# Allegro board BRD-05058-03_A1.brd (continued)
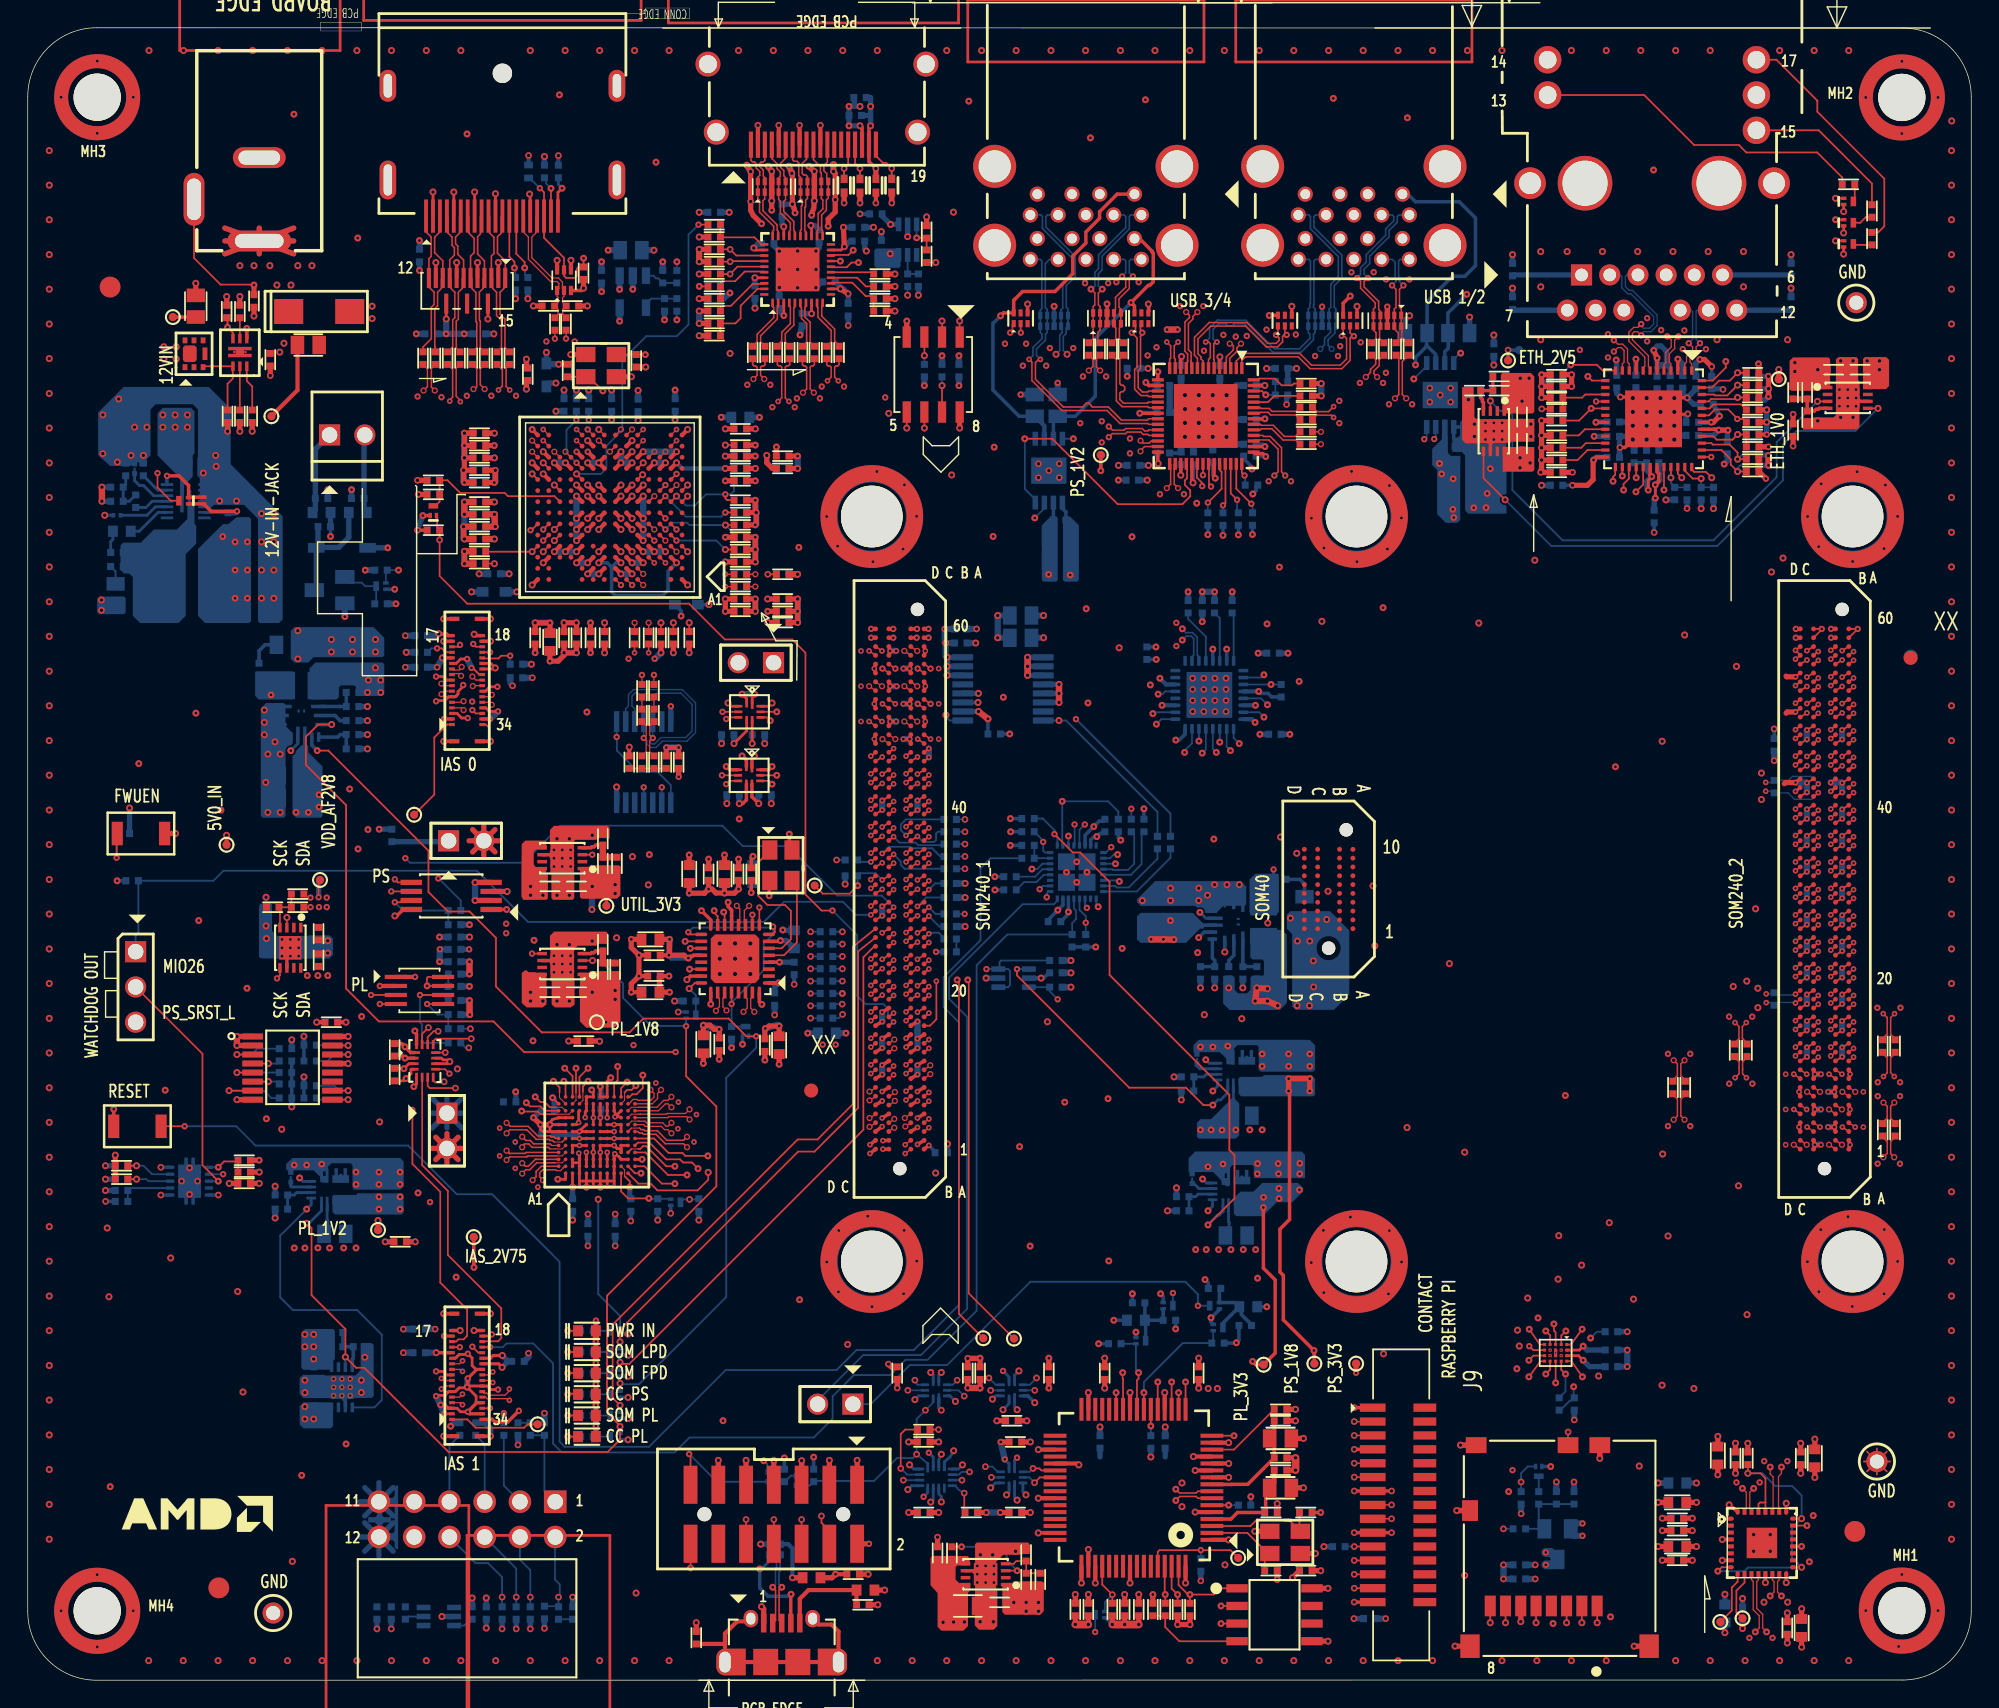
[diagram p0: board, top side]
## Routing (per net, layer and track width the routed paths; a pad name or vN(x,y) marks a point on that pad's centre or on a via; arc(x,y) is an arc through that point) (continued)
HPA11_N: length 59.8
  TOP w0.094: JA1.B11 v3(63.27,44.32)
  TOP w0.114: J9.2 v2(95.56,18.63)
  L12_SIG w0.112: v3(63.27,44.32) 63.27,44.24 62.82,43.79 62.82,43.27 63.15,42.94 65.4,42.94 67.16,41.19 67.16,40.5 67.97,39.69 67.97,24.9 69.84,23.03 72.53,23.03 73.21,22.35 78.04,22.35 78.97,23.29 82.69,23.29 83.99,21.99 94.58,21.99 97.2,19.37 97.2,18.69 96.76,18.25 95.93,18.25 v2(95.56,18.63)
HPA11_P: length 59.8
  TOP w0.094: JA1.B10 v3(63.27,43.69)
  TOP w0.114: J9.3 v2(95.56,17.63)
  L12_SIG w0.112: v2(95.56,17.63) 95.93,18 96.87,18 97.46,18.59 97.46,19.48 94.69,22.24 84.1,22.24 82.8,23.54 78.87,23.54 77.93,22.61 73.32,22.61 72.64,23.29 69.94,23.29 68.22,25.01 68.22,39.8 67.41,40.61 67.41,41.29 67.01,41.69 67.01,41.85 67.02,41.86 67.02,42.08 66.77,42.34 66.55,42.34 66.54,42.32 66.38,42.32 65.51,43.19 63.26,43.19 63.08,43.38 63.08,43.6 63.17,43.69 v3(63.27,43.69)
HPA12_N: length 62
  TOP w0.094: JA1.A10 v4(65.01,44.28)
  TOP w0.114: J9.5 v2(95.56,15.63)
  L03_SIG w0.112: v2(95.56,15.63) 95.18,15.25 93.17,15.25 87.09,21.33 87.09,21.77 84.76,24.1 81.89,24.1 75.84,30.14 75.84,35.82 74.11,37.56 72.54,37.56 72.03,37.05 72.03,34.04 71.57,33.57 70.77,33.57 70.34,34 70.34,35.78 70.08,36.04 69.43,36.04 69.17,35.78 69.17,34 69.05,33.89 68.54,33.89 67.77,34.66 67.77,43.07 66.75,44.09 65.2,44.09 v4(65.01,44.28)
HPA12_P: length 62
  TOP w0.094: JA1.A9 v4(65.01,43.65)
  TOP w0.114: J9.6 v2(95.56,14.63)
  L03_SIG w0.112: v4(65.01,43.65) 65.2,43.84 66.64,43.84 67.51,42.97 67.51,34.56 68.43,33.64 69.16,33.64 69.42,33.9 69.42,35.68 69.53,35.79 69.98,35.79 70.09,35.68 70.09,33.9 70.67,33.32 71.67,33.32 72.28,33.93 72.28,36.94 72.65,37.31 74,37.31 75.59,35.72 75.59,30.04 81.78,23.85 84.65,23.85 86.84,21.66 86.84,21.23 93.07,15 95.18,15 v2(95.56,14.63)
HPA13_FLASH: length 23.4
  TOP w0.127: U72.8 29.21,43.18 29.34,43.05 29.94,43.05 v2(29.99,43.1) ; v1(27.71,41.07) 27.71,37.18 29.71,35.17 29.71,28.63 31.65,26.7 31.65,24.8 31.4,24.55 31.02,24.55 30.85,24.39 J8.15
  L12_SIG w0.102: v1(27.71,41.07) 29.74,43.1 v2(29.99,43.1)
HPA13_N: length 50.8
  TOP w0.094: JA1.A13 v3(64.91,46.14)
  TOP w0.127: v2(28.86,47) 28.41,46.54 U72.15
  L05_SIG w0.102: v2(28.86,47) 28.86,47.02 31.34,49.5 32.13,49.5 38.68,56.05 48.9,56.05 50.21,57.37 55.27,57.37 58.16,54.48 58.16,47.72 58.47,47.42 60.29,47.42 60.64,47.06 61.85,47.06 62.02,46.88 64.17,46.88 v3(64.91,46.14)
HPA13_P: length 49.9
  TOP w0.094: JA1.A12 v3(64.91,45.5)
  TOP w0.127: U72.13 29.21,46.02 29.38,46.2 v2(31.95,46.2)
  L05_SIG w0.102: v2(31.95,46.2) 36.95,51.2 36.95,52.4 39.46,54.91 50.64,54.91 51.83,56.1 56.04,56.1 57.83,54.3 57.83,47.62 58.42,47.04 59.61,47.04 59.91,46.73 61.54,46.73 63.12,45.16 64.57,45.16 v3(64.91,45.5)
HPA13_TRIGGER: length 22.6
  TOP w0.127: J8.20 32.76,24.41 33.88,24.41 34.11,24.63 34.11,26.78 30.26,30.63 30.26,35.24 28.41,37.09 U72.6
HPA14_FLASH: length 34.7
  TOP w0.127: U72.9 30.06,44 v1(30.37,43.68) ; J7.15 31,74.42 v1(31.14,74.56)
  L12_SIG w0.102: v1(30.37,43.68) 29.66,44.4 29.66,45.69 30.35,46.38 30.35,58.44 29.01,59.78 29.01,69.09 30.58,70.65 30.58,74 v1(31.14,74.56)
HPA14_N: length 47.2
  TOP w0.094: JA1.D14 v3(60.73,46.23)
  TOP w0.127: U72.14 28.81,46.31 29.23,46.73 v2(29.56,46.73)
  L05_SIG w0.102: v2(29.56,46.73) 29.99,46.73 31.6,45.12 32.7,45.12 35.81,48.23 39.34,48.23 39.87,48.76 39.87,51.75 42.73,54.61 52.5,54.61 52.96,55.06 56.61,55.06 57.5,54.17 57.5,47.47 58.77,46.2 60.71,46.2 v3(60.73,46.23)
HPA14_P: length 44.4
  TOP w0.094: JA1.D13 v3(60.73,45.59)
  TOP w0.127: U72.12 v2(30.08,45.2)
  L05_SIG w0.102: v2(30.08,45.2) 30.61,45.2 31.19,44.62 33.96,44.62 36.98,47.65 39.71,47.65 41.3,49.23 41.3,50.17 45.41,54.29 52.92,54.29 53.34,54.71 56.43,54.71 57.16,53.98 57.16,47.42 58.99,45.59 v3(60.73,45.59)
HPA14_TRIGGER: length 37.4
  TOP w0.127: v1(32.09,74.63) 32.29,74.42 J7.20 ; U72.7 28.81,42.79 28.96,42.64 v2(30.81,42.64)
  L12_SIG w0.102: v1(32.09,74.63) 32.54,74.18 32.54,71.58 30.58,69.62 30.58,63.06 31.57,62.06 31.57,58.8 31.29,58.52 31.29,44.93 31.59,44.62 31.59,43.43 v2(30.81,42.64)
HPA_CLK0_N_NC: length 0.4
  TOP w0.094: JA1.A7 v3(64.91,42.33)
HPA_CLK0_P_NC: length 0.4
  TOP w0.094: JA1.A6 v3(64.91,41.69)
HPB00_HPB05_CC_N: length 15.5
  TOP w0.094: JA2.B19 v3(129.88,49.4) ; JA2.D16 v3(127.34,47.5)
  L03_SIG w0.091: v3(127.34,47.5) 127.15,47.31 126.74,47.31 126.5,47.07 126.5,46.41 126.74,46.17 127.86,46.17 128.08,45.94 128.32,45.94 128.32,45.94 129.54,45.94 129.72,46.12 130.45,46.12 130.58,45.99 132.82,45.99 133.3,46.46 133.3,47.74 132.89,48.15 130.73,48.15 130.33,48.55 130.33,48.85 129.88,49.3 v3(129.88,49.4)
HPB00_HPB05_CC_P: length 15.4
  TOP w0.094: JA2.B18 v3(129.88,48.77) ; JA2.D15 v3(127.34,46.86)
  L03_SIG w0.091: v3(129.88,48.77) 130.08,48.58 130.08,48.44 130.62,47.89 132.78,47.89 133.04,47.63 133.04,47.52 132.95,47.43 132.04,47.43 131.95,47.33 131.95,47.15 132.04,47.06 132.95,47.06 133.04,46.97 133.04,46.57 132.72,46.24 130.68,46.24 130.55,46.37 129.61,46.37 129.43,46.19 128.43,46.19 128.42,46.2 128.18,46.2 127.96,46.42 126.85,46.42 126.76,46.51 126.76,46.96 126.85,47.05 127.15,47.05 v3(127.34,46.86)
HPB01_HPB06_N: length 13.2
  TOP w0.094: JA2.A21 v3(131.52,51.22) ; JA2.D13 v3(127.34,45.59)
  L10_SIG w0.091: v3(127.34,45.59) 127.15,45.4 126.83,45.4 125.98,46.25 125.98,48.58 127.19,49.78 131.65,49.78 132.21,50.33 132.21,50.77 131.95,51.03 131.72,51.03 v3(131.52,51.22)
HPB01_HPB06_P: length 13.2
  TOP w0.094: JA2.A20 v3(131.52,50.58) ; JA2.D12 v3(127.34,44.96)
  L10_SIG w0.091: v3(127.34,44.96) 127.15,45.15 126.72,45.15 125.73,46.14 125.73,48.68 127.08,50.03 131.55,50.03 131.95,50.44 131.95,50.67 131.84,50.77 131.72,50.77 v3(131.52,50.58)
HPB02_HPB07_N: length 17.3
  TOP w0.094: JA2.B16 v3(129.88,47.5) ; JA2.C18 v3(128.98,49.31)
  L05_SIG w0.091: v3(129.88,47.5) 130.33,47.05 130.33,46.64 130.58,46.39 131.89,46.39 131.98,46.49 131.98,46.79 132.07,46.88 132.25,46.88 132.35,46.79 132.35,46.49 132.44,46.39 132.66,46.39 133.02,46.76 133.02,47.24 132.25,48.01 132.25,48.53 132.47,48.76 132.47,48.88 132.12,49.24 132.12,49.37 132.24,49.5 132.37,49.5 132.73,49.14 132.86,49.14 133.41,49.69 133.41,50.83 133.29,50.95 132.6,50.95 132.49,50.84 132.49,50.21 132.06,49.78 129.26,49.78 128.98,49.51 v3(128.98,49.31)
HPB02_HPB07_P: length 17.3
  TOP w0.094: JA2.C17 v3(128.98,48.68) ; JA2.B15 v3(129.88,46.86)
  L05_SIG w0.091: v3(128.98,48.68) 128.6,49.06 128.6,49.65 128.99,50.03 131.95,50.03 132.23,50.32 132.23,50.95 132.49,51.21 133.39,51.21 133.67,50.93 133.67,49.59 132.51,48.43 132.51,48.11 133.27,47.35 133.27,46.65 132.76,46.14 130.47,46.14 130.08,46.54 130.08,46.67 v3(129.88,46.86)
HPB03_HPB08_N: length 13.4
  TOP w0.094: JA2.B25 v3(129.88,53.21) ; JA2.A15 v3(131.52,47.41)
  L12_SIG w0.091: v3(129.88,53.21) 129.49,52.82 129.49,52.39 129.64,52.24 129.64,51.98 129.93,51.69 134.16,51.69 134.58,51.26 134.58,50.68 132.6,48.69 132.6,47.47 132.34,47.22 131.72,47.22 v3(131.52,47.41)
HPB03_HPB08_P: length 13.4
  TOP w0.094: JA2.A14 v3(131.52,46.77) ; JA2.B24 v3(129.88,52.58)
  L12_SIG w0.091: v3(131.52,46.77) 131.72,46.96 132.44,46.96 132.85,47.37 132.85,48.59 134.83,50.57 134.83,51.37 134.26,51.94 132.51,51.94 132.42,52.03 132.42,52.17 132.33,52.26 132.14,52.26 132.05,52.17 132.05,52.03 131.96,51.94 130.04,51.94 129.89,52.08 129.89,52.57 v3(129.88,52.58)
HPB04_HPB09_N: length 12.8
  TOP w0.094: JA2.D22 v3(127.34,51.31) ; JA2.C12 v3(128.98,45.5)
  L12_SIG w0.091: v3(128.98,45.5) 129.21,45.73 129.21,45.95 129.12,46.04 126.71,46.04 126.62,45.95 126.62,45.88 126.53,45.79 126.34,45.79 126.25,45.88 126.25,45.95 126.16,46.04 125.7,46.04 125.22,46.52 125.22,47.4 125.71,47.89 125.71,49.58 125.22,50.07 125.22,50.61 125.73,51.12 127.15,51.12 v3(127.34,51.31)
HPB04_HPB09_P: length 12.9
  TOP w0.094: JA2.D21 v3(127.34,50.67) ; JA2.C11 v3(128.98,44.87)
  L12_SIG w0.091: v3(127.34,50.67) 127.15,50.86 125.84,50.86 125.47,50.5 125.47,50.17 125.96,49.68 125.96,47.79 125.47,47.3 125.47,46.62 125.8,46.29 129.22,46.29 129.46,46.05 129.46,45.34 v3(128.98,44.87)
HPB10_HPB15_CC_N: length 16.5
  TOP w0.094: JA2.B13 v3(129.88,45.59) ; JA2.A12 v3(131.52,45.5)
  L05_SIG w0.091: v3(131.52,45.5) 131.72,45.31 136.8,45.31 137.13,44.98 137.13,44.31 136.77,43.94 134.47,43.94 134.28,44.13 130.14,44.13 129.51,44.77 129.51,45.22 v3(129.88,45.59)
HPB10_HPB15_CC_P: length 16.5
  TOP w0.094: JA2.B12 v3(129.88,44.96) ; JA2.A11 v3(131.52,44.87)
  L05_SIG w0.091: v3(131.52,44.87) 131.72,45.06 136.7,45.06 136.88,44.87 136.88,44.41 136.66,44.2 136.28,44.2 136.19,44.29 136.19,44.64 136.1,44.73 135.91,44.73 135.82,44.64 135.82,44.29 135.73,44.2 135.55,44.2 135.46,44.29 135.46,44.64 135.37,44.73 135.18,44.73 135.09,44.64 135.09,44.29 135,44.2 134.58,44.2 134.39,44.39 133.4,44.39 133.31,44.48 133.31,44.52 133.22,44.61 133.04,44.61 132.94,44.52 132.94,44.48 132.85,44.39 132.67,44.39 132.58,44.48 132.58,44.52 132.49,44.61 132.3,44.61 132.21,44.52 132.21,44.48 132.12,44.39 130.34,44.39 130.25,44.48 130.25,44.59 v3(129.88,44.96)
HPB11_HPB16_N: length 14.6
  TOP w0.094: JA2.B22 v3(129.88,51.31) ; JA2.A24 v3(131.52,53.12)
  L03_SIG w0.091: v3(131.52,53.12) 131.72,52.93 135.14,52.93 135.43,52.64 135.43,50.61 134.62,49.8 130.63,49.8 130.4,50.03 129.89,50.03 129.49,50.43 129.49,50.91 v3(129.88,51.31)
HPB11_HPB16_P: length 14.6
  TOP w0.094: JA2.A23 v3(131.52,52.49) ; JA2.B21 v3(129.88,50.67)
  L03_SIG w0.091: v3(131.52,52.49) 131.72,52.68 135.04,52.68 135.18,52.54 135.18,51.89 135.09,51.8 134.05,51.8 133.96,51.71 133.96,51.53 134.05,51.44 135.09,51.44 135.18,51.34 135.18,50.72 134.51,50.05 130.74,50.05 130.51,50.28 130.17,50.28 129.88,50.57 v3(129.88,50.67)
HPB12_HPB17_N: length 15.1
  TOP w0.094: JA2.D25 v3(127.34,53.21) ; JA2.A18 v3(131.52,49.31)
  L10_SIG w0.091: v3(131.52,49.31) 131.72,49.12 132.11,49.12 132.64,49.65 132.64,51.27 132.55,51.36 132.3,51.36 132.21,51.45 132.21,51.63 132.3,51.72 132.55,51.72 132.64,51.82 132.64,52 132.55,52.09 132.23,52.09 132.12,52.2 132.12,52.36 132.21,52.46 132.55,52.46 132.64,52.55 132.64,53.02 132.02,53.63 129.72,53.63 129.63,53.54 129.63,53.52 129.54,53.43 129.35,53.43 129.26,53.52 129.26,53.54 129.17,53.63 126.75,53.63 126.46,53.34 126.46,53.11 126.55,53.02 127.15,53.02 v3(127.34,53.21)
HPB12_HPB17_P: length 15.1
  TOP w0.094: JA2.D24 v3(127.34,52.58) ; JA2.A17 v3(131.52,48.68)
  L10_SIG w0.091: v3(127.34,52.58) 127.15,52.77 126.44,52.77 126.2,53.01 126.2,53.45 126.64,53.89 132.13,53.89 132.89,53.13 132.89,49.54 132.21,48.87 131.72,48.87 v3(131.52,48.68)
HPB13_HPB18_N: length 17
  TOP w0.094: JA2.C21 v3(128.98,51.22) ; JA2.C24 v3(128.98,53.12)
  L03_SIG w0.091: v3(128.98,51.22) 128.79,51.41 128.79,51.54 128.2,52.13 126.97,52.13 126.31,51.48 126.31,50.87 126,50.56 125.11,50.56 124.43,51.24 124.43,51.59 124.52,51.68 125.08,51.68 125.17,51.77 125.17,51.95 125.08,52.04 124.52,52.04 124.43,52.14 124.43,52.32 124.52,52.41 125.08,52.41 125.17,52.5 125.17,52.68 125.08,52.78 124.52,52.78 124.43,52.87 124.43,53.3 124.94,53.81 127.88,53.81 128.11,53.58 128.9,53.58 128.98,53.5 v3(128.98,53.12)
HPB13_HPB18_P: length 17
  TOP w0.094: JA2.C23 v3(128.98,52.49) ; JA2.C20 v3(128.98,50.58)
  L03_SIG w0.091: v3(128.98,50.58) 128.54,51.03 128.54,51.44 128.1,51.88 127.07,51.88 126.57,51.37 126.57,50.76 126.11,50.31 125,50.31 124.18,51.13 124.18,53.41 124.84,54.07 127.98,54.07 128.21,53.84 129.08,53.84 129.4,53.52 129.4,52.96 129.34,52.9 129.34,52.82 129,52.49 v3(128.98,52.49)
HPB14_HPB19_N: length 19.1
  TOP w0.094: JA2.A27 v3(131.52,55.03) ; JA2.C15 v3(128.98,47.41)
  L05_SIG w0.091: v3(131.52,55.03) 131.72,54.84 131.84,54.84 131.93,54.75 132.7,54.75 132.94,54.51 132.94,53.88 132.65,53.59 127.08,53.59 126.62,53.13 126.62,47.06 127.25,46.42 128.32,46.42 128.54,46.64 128.54,46.97 v3(128.98,47.41)
HPB14_HPB19_P: length 19
  TOP w0.094: JA2.A26 v3(131.52,54.39) ; JA2.C14 v3(128.98,46.77)
  L05_SIG w0.091: v3(128.98,46.77) 128.8,46.58 128.8,46.54 128.43,46.17 127.15,46.17 126.36,46.95 126.36,53.23 126.98,53.84 129.25,53.84 129.42,54.01 129.62,54.01 129.79,53.84 129.98,53.84 130.15,54.01 130.35,54.01 130.52,53.84 132.54,53.84 132.69,53.99 132.69,54.41 132.6,54.5 131.82,54.5 131.74,54.58 131.72,54.58 v3(131.52,54.39)
HPB_CLK0_N: length 54
  TOP w0.094: JA2.D19 v3(127.34,49.4) ; v5(126.33,15.35) 126.33,14.88 126.12,14.68 126.12,12.19 U40.26
  L03_SIG w0.091: v5(126.33,15.35) 126.06,15.07 126.06,14.72 125.75,14.42 125.14,14.42 123.16,16.4 120.41,16.4 117.02,19.79 117.02,24.8 116.18,25.64 116.18,44.06 121.36,49.24 125.04,49.24 v3(125.23,49.43)
  BOTTOM w0.094: v3(125.23,49.43) 125.73,49.43 R284.2 125.97,49.34 127.28,49.34 v3(127.34,49.4)
HPB_CLK0_P: length 54
  TOP w0.094: JA2.D18 v3(127.34,48.77) ; v5(125.52,15.35) 125.52,14.86 125.73,14.64 125.73,12.19 U40.27
  L03_SIG w0.091: v3(125.23,48.79) 125.04,48.98 121.46,48.98 116.43,43.95 116.43,25.75 117.27,24.91 117.27,19.89 118.77,18.39 118.9,18.39 119.27,18.77 119.4,18.77 119.66,18.51 119.66,18.38 119.29,18.01 119.29,17.88 120.51,16.65 123.27,16.65 125.25,14.67 125.65,14.67 125.8,14.82 125.8,15.06 v5(125.52,15.35)
  BOTTOM w0.094: v3(127.34,48.77) 127.3,48.81 126.01,48.81 R284.1 125.62,48.79 v3(125.23,48.79)
HPC00_HPC05_CC_N: length 16
  TOP w0.094: JA2.D34 v3(127.34,58.93) ; JA2.C39 v3(128.98,62.65)
  L10_SIG w0.091: v3(128.98,62.65) 129.51,62.13 129.51,61.73 129.66,61.58 131.68,61.58 132.21,61.05 132.21,57.71 131.97,57.47 126.85,57.47 126.48,57.84 126.48,58.5 126.72,58.74 127.15,58.74 v3(127.34,58.93)
HPC00_HPC05_CC_P: length 16
  TOP w0.094: JA2.D33 v3(127.34,58.29) ; JA2.C38 v3(128.98,62.01)
  L10_SIG w0.091: v3(128.98,62.01) 129.25,61.74 129.25,61.63 129.55,61.32 131.57,61.32 131.95,60.95 131.95,59.75 131.86,59.66 131.23,59.66 131.14,59.57 131.14,59.39 131.23,59.3 131.86,59.3 131.95,59.2 131.95,57.81 131.86,57.72 131.27,57.72 131.12,57.88 130.9,57.88 130.75,57.72 130.54,57.72 130.39,57.88 130.17,57.88 130.02,57.72 129.81,57.72 129.65,57.88 129.44,57.88 129.29,57.72 129.07,57.72 128.97,57.82 128.7,57.82 128.6,57.72 128.34,57.72 128.24,57.82 127.97,57.82 127.87,57.72 126.95,57.72 126.73,57.94 126.73,58.39 126.82,58.48 127.15,58.48 v3(127.34,58.29)
HPC01_HPC06_N: length 16.5
  TOP w0.094: JA2.D31 v3(127.34,57.02) ; JA2.B28 v3(129.88,55.12)
  L12_SIG w0.091: v3(127.34,57.02) 127.15,56.83 126.51,56.83 125.4,55.72 125.4,54.22 125.93,53.69 131.9,53.69 132.46,54.24 132.46,55.31 132.11,55.66 131.03,55.66 130.96,55.72 130.44,55.72 130.07,55.35 130.07,55.31 v3(129.88,55.12)
HPC01_HPC06_P: length 16.5
  TOP w0.094: JA2.D30 v3(127.34,56.39) ; JA2.B27 v3(129.88,54.48)
  L12_SIG w0.091: v3(127.34,56.39) 127.15,56.58 126.62,56.58 125.65,55.61 125.65,55.19 125.74,55.1 126.35,55.1 126.44,55.01 126.44,54.83 126.35,54.73 125.74,54.73 125.65,54.64 125.65,54.32 126.04,53.94 131.8,53.94 132.21,54.35 132.21,55.21 132.01,55.4 130.92,55.4 130.86,55.47 130.54,55.47 130.32,55.25 130.32,54.92 v3(129.88,54.48)
HPC02_HPC07_N: length 18.4
  TOP w0.094: JA2.B37 v3(129.88,60.83) ; JA2.D37 v3(127.34,60.83)
  L05_SIG w0.091: v3(129.88,60.83) 130.07,61.02 130.07,61.07 130.44,61.44 131.23,61.44 131.24,61.43 132.28,61.43 132.48,61.64 132.48,62.57 131.9,63.16 125.94,63.16 125.2,62.42 125.2,62.05 125.29,61.96 126.2,61.96 126.29,61.86 126.29,61.68 126.2,61.59 125.29,61.59 125.2,61.5 125.2,60.98 125.53,60.64 127.15,60.64 v3(127.34,60.83)
HPC02_HPC07_P: length 18.4
  TOP w0.094: JA2.D36 v3(127.34,60.2) ; JA2.B36 v3(129.88,60.2)
  L05_SIG w0.091: v3(127.34,60.2) 127.15,60.39 125.43,60.39 124.94,60.87 124.94,62.52 125.83,63.41 132.01,63.41 132.74,62.68 132.74,61.53 132.38,61.18 131.14,61.18 131.13,61.18 130.54,61.18 130.32,60.96 130.32,60.64 v3(129.88,60.2)
HPC03_HPC08_N: length 16.3
  TOP w0.094: JA2.A30 v3(131.52,56.93) ; v3(131.52,64.55) JA2.A42
  L05_SIG w0.091: v3(131.52,64.55) 131.72,64.36 133.03,64.36 134.75,62.65 134.75,56.45 133.95,55.65 131.51,55.65 131.27,55.89 131.11,56.05 131.11,56.52 v3(131.52,56.93)
HPC03_HPC08_P: length 16.2
  TOP w0.094: JA2.A41 v3(131.52,63.92) ; JA2.A29 v3(131.52,56.3)
  L05_SIG w0.091: v3(131.52,56.3) 131.52,56.29 131.52,56 131.61,55.91 133.84,55.91 134.49,56.56 134.49,60.95 134.4,61.04 133.95,61.04 133.86,61.13 133.86,61.31 133.95,61.41 134.4,61.41 134.49,61.5 134.49,61.68 134.4,61.77 133.95,61.77 133.86,61.86 133.86,62.05 133.95,62.14 134.4,62.14 134.49,62.23 134.49,62.55 132.93,64.11 131.72,64.11 v3(131.52,63.92)
HPC04_HPC09_N: length 14.8
  TOP w0.094: JA2.D28 v3(127.34,55.12) ; JA2.D40 v3(127.34,62.74)
  L10_SIG w0.091: v3(127.34,62.74) 127.79,62.29 127.79,61.71 127.36,61.28 125.3,61.28 123.93,59.9 123.93,55.49 124.49,54.93 127.15,54.93 v3(127.34,55.12)
HPC04_HPC09_P: length 14.9
  TOP w0.094: JA2.D39 v3(127.34,62.1) ; JA2.D27 v3(127.34,54.48)
  L10_SIG w0.091: v3(127.34,54.48) 127.15,54.67 124.38,54.67 123.67,55.39 123.67,60.01 125.2,61.53 125.72,61.53 125.81,61.62 125.81,61.72 125.91,61.81 126.09,61.81 126.18,61.72 126.18,61.62 126.27,61.53 127.25,61.53 127.54,61.82 127.54,61.94 127.37,62.1 v3(127.34,62.1)
HPC10_HPC15_CC_N: length 14.6
  TOP w0.094: JA2.A39 v3(131.52,62.65) ; JA2.C30 v3(128.98,56.93)
  L03_SIG w0.091: v3(128.98,56.93) 128.95,56.93 128.86,57.02 128.86,57.05 128.79,57.12 128.79,57.26 128.42,57.63 128.29,57.63 128.12,57.8 126.87,57.8 126.64,58.03 126.64,59.78 126.73,59.87 126.81,59.87 126.9,59.96 126.9,60.14 126.81,60.23 126.73,60.23 126.64,60.33 126.64,60.96 127.06,61.38 128.08,61.38 128.28,61.18 129.36,61.18 129.59,61.41 130.53,61.41 130.71,61.23 131.75,61.23 132.28,61.76 132.28,62.12 131.95,62.46 131.72,62.46 v3(131.52,62.65)
HPC10_HPC15_CC_P: length 14.6
  TOP w0.094: JA2.A38 v3(131.52,62.01) ; JA2.C29 v3(128.98,56.3)
  L03_SIG w0.091: v3(131.52,62.01) 131.72,62.2 131.84,62.2 132.03,62.02 132.03,61.87 131.64,61.48 130.81,61.48 130.63,61.66 129.48,61.66 129.26,61.43 128.38,61.43 128.18,61.63 126.96,61.63 126.39,61.06 126.39,57.92 126.76,57.55 128.01,57.55 128.18,57.37 128.32,57.37 128.54,57.15 128.54,56.85 128.98,56.4 v3(128.98,56.3)
HPC11_HPC16_N: length 13.4
  TOP w0.094: JA2.C33 v3(128.98,58.84) ; JA2.B34 v3(129.88,58.93)
  L05_SIG w0.091: v3(128.98,58.84) 128.61,58.46 128.61,57.77 128.93,57.44 133.54,57.44 133.78,57.68 133.78,59.29 133.54,59.53 130.44,59.53 130.07,59.16 130.07,59.12 v3(129.88,58.93)
HPC11_HPC16_P: length 13.4
  TOP w0.094: JA2.B33 v3(129.88,58.29) ; JA2.C32 v3(128.98,58.2)
  L05_SIG w0.091: v3(128.98,58.2) 128.94,58.16 128.94,57.79 129.03,57.7 132.24,57.7 132.33,57.79 132.33,58.6 132.42,58.69 132.6,58.69 132.7,58.6 132.7,57.79 132.79,57.7 133.43,57.7 133.53,57.79 133.53,59.19 133.43,59.28 130.54,59.28 130.32,59.06 130.32,58.73 v3(129.88,58.29)
HPC12_HPC17_N: length 12.3
  TOP w0.094: JA2.C36 v3(128.98,60.74) ; JA2.C27 v3(128.98,55.03)
  L10_SIG w0.091: v3(128.98,55.03) 129.12,55.03 129.25,55.16 129.25,55.29 128.98,55.56 126.36,55.56 125.88,56.04 125.88,59.36 126.27,59.75 128.44,59.75 128.54,59.86 128.54,60.2 128.98,60.64 v3(128.98,60.74)
HPC12_HPC17_P: length 12.3
  TOP w0.094: JA2.C26 v3(128.98,54.39) ; JA2.C35 v3(128.98,60.11)
  L10_SIG w0.091: v3(128.98,60.11) 128.8,59.92 128.8,59.75 128.55,59.5 126.38,59.5 126.13,59.26 126.13,56.15 126.47,55.82 129.08,55.82 129.51,55.4 129.51,54.74 129.34,54.58 129.18,54.58 v3(128.98,54.39)
HPC13_HPC18_N: length 12.1
  TOP w0.094: JA2.B31 v3(129.88,57.02) ; JA2.B40 v3(129.88,62.74)
  L12_SIG w0.091: v3(129.88,57.02) 129.74,57.16 129.74,57.53 129.45,57.82 127.28,57.82 127.19,57.92 126.85,58.26 126.85,61.02 127.21,61.38 129.69,61.38 130.26,61.95 130.26,62.36 v3(129.88,62.74)
HPC13_HPC18_P: length 12.1
  TOP w0.094: JA2.B30 v3(129.88,56.39) ; JA2.B39 v3(129.88,62.1)
  L12_SIG w0.091: v3(129.88,62.1) 129.41,61.63 127.1,61.63 126.59,61.13 126.59,60.53 126.5,60.44 126.48,60.44 126.39,60.35 126.39,60.17 126.48,60.08 126.5,60.08 126.59,59.98 126.59,58.15 126.71,58.03 127.17,57.57 129.34,57.57 129.49,57.42 129.49,56.78 v3(129.88,56.39)
HPC14_HPC19_N: length 13.7
  TOP w0.094: JA2.A33 v3(131.52,58.84) ; JA2.A36 v3(131.52,60.74)
  L12_SIG w0.091: v3(131.52,60.74) 131.44,60.74 131.11,60.42 131.11,59.74 131.64,59.21 131.68,59.21 131.68,59.21 133.73,59.21 134.28,59.76 136.19,59.76 136.45,59.5 136.45,58.87 136.22,58.65 131.72,58.65 v3(131.52,58.84)
HPC14_HPC19_P: length 13.7
  TOP w0.094: JA2.A35 v3(131.52,60.11) ; JA2.A32 v3(131.52,58.2)
  L12_SIG w0.091: v3(131.52,58.2) 131.72,58.39 136.33,58.39 136.7,58.76 136.7,59.6 136.29,60.01 134.17,60.01 133.63,59.46 132.98,59.46 132.89,59.55 132.89,59.61 132.79,59.7 132.61,59.7 132.52,59.61 132.52,59.55 132.43,59.46 131.79,59.46 131.79,59.47 131.74,59.47 131.37,59.84 131.37,60.06 131.46,60.15 131.48,60.15 v3(131.52,60.11)
HPC_CLK0_N: length 73.3
  TOP w0.094: U40.30 124.17,12.24 124.05,12.36 124.05,13.54 v5(124.33,13.82) ; v3(128.98,64.55) JA2.C42
  L03_SIG w0.091: v3(125.2,64.65) 125.01,64.46 124.47,64.46 120.9,60.9 120.9,52.69 114.46,46.25 114.46,20.53 121.21,13.78 121.21,11.15 121.72,10.64 123.03,10.64 124.05,11.66 124.05,13.54 v5(124.33,13.82)
  BOTTOM w0.094: v3(128.98,64.55) 128.45,65.09 127.13,65.09 126.85,64.81 125.82,64.81 R285.2 125.66,64.65 v3(125.2,64.65)
HPC_CLK0_P: length 73.3
  TOP w0.094: v5(123.52,13.82) 123.8,13.54 123.8,12.37 123.67,12.24 U40.31 ; v3(128.98,63.92) JA2.C41
  L03_SIG w0.091: v3(125.2,64.02) 125.01,64.21 124.58,64.21 121.16,60.79 121.16,59.89 121.25,59.8 121.79,59.8 121.9,59.69 121.9,59.37 121.78,59.25 121.25,59.25 121.16,59.16 121.16,52.59 114.71,46.15 114.71,20.64 121.49,13.86 121.49,11.23 121.83,10.89 122.93,10.89 123.8,11.76 123.8,13.54 v5(123.52,13.82)
  BOTTOM w0.094: v3(125.2,64.02) 125.69,64.02 R285.1 126.82,63.9 127.28,63.44 128.5,63.44 v3(128.98,63.92)
I2C_SCK: length 87
  TOP w0.127: JA1.C26 v3(61.55,53.82) ; U16.3 v1(24.73,49.35)
  L12_SIG w0.102: v3(61.55,53.82) 61.02,53.82 58.87,51.68 58.37,51.68 56.57,49.88 55.9,49.88 55.47,49.45 54.33,49.45 51.9,47.03 51.9,37.38 48.2,33.68 48.2,33.67 46.99,32.46 46.98,32.46 46.32,31.8 38.8,31.8 38.35,32.26 33.02,32.26 27.54,37.74 17.4,37.74 13.19,41.96 13.19,46.48 16.05,49.35 v1(24.73,49.35)
I2C_SCK_LS: length 132.3
  TOP w0.127: U15.6 v1(26.19,56.8) ; U27.J12 v6(37.93,86.07) ; U16.6 v1(28.25,49.35)
  L03_SIG w0.102: v6(37.93,86.07) 34.19,86.07 32.54,84.42 32.54,80.64 31.75,79.85 31.75,78.98 29.44,76.67 29.29,76.67 26.76,74.15 26.76,58.73 26.97,58.52 26.97,57.28 26.5,56.8 v1(26.19,56.8)
  L05_SIG w0.102: v6(37.93,86.07) 35,86.07 34.53,85.6 31.54,85.6 30.79,84.84 30.79,79.47 31.28,78.97 32.27,78.97 35.96,75.28 53.72,75.28 57.91,71.08 65.53,71.08 66.14,70.48 v6(66.14,69.51) 67.19,69.51 67.38,69.31 68.63,69.31 69.01,69.69 75.03,69.69 v1(75.51,69.21)
  L12_SIG w0.102: v1(28.25,49.35) 25.65,51.95 25.65,56.27 v1(26.19,56.8)
  BOTTOM w0.127: v6(66.14,69.51) 66.14,69.39 66.41,69.11 U14.9 ; R307.1 82.32,60.77 82.32,62.4 75.51,69.21 v1(75.51,69.21) ; R55.2 29.89,49.35 v1(28.25,49.35) 28.25,47.38 28.39,47.24 28.39,46.03 28.53,45.9 R287.1
I2C_SCK_SLG: length 6.5
  BOTTOM w0.127: U19.8 79.89,56.8 82.32,59.23 82.32,59.87 R307.2
I2C_SDA: length 86.4
  TOP w0.127: U16.4 v1(25.36,48.7) ; JA1.C27 v3(62.37,55.03)
  L12_SIG w0.102: v3(62.37,55.03) 62.37,54.73 62.01,54.37 61.06,54.37 59.25,52.56 55.81,52.56 50.92,47.67 50.92,46.07 51.09,45.9 51.09,45.71 51.09,37.42 46.17,32.5 39.04,32.5 38.85,32.69 33.59,32.69 27.77,38.51 17.61,38.51 13.81,42.31 13.81,46.18 16.32,48.7 v1(25.36,48.7)
I2C_SDA_LS: length 128
  TOP w0.127: U27.K14 v6(36.33,86.87) ; v1(26.44,57.67) 26.66,57.45 U15.5 ; U16.5 v1(28.76,48.7)
  L03_SIG w0.102: v6(36.33,86.87) 34.65,86.87 34.44,86.66 32.57,86.66 28.98,83.07 28.98,78.43 26.02,75.47 26.02,58.69 26.44,58.27 v1(26.44,57.67)
  L05_SIG w0.102: v6(36.33,86.87) 35.59,86.87 35.38,86.66 31.16,86.66 30.27,85.77 30.27,79 31.37,77.9 32.76,77.9 35.94,74.72 53.77,74.72 58.78,69.71 65.18,69.71 66.27,68.62 69.91,68.62 70.41,69.11 v6(74.29,69.11)
  L12_SIG w0.102: v1(26.44,57.67) 24.88,56.11 24.88,51.56 27.74,48.69 28.76,48.69 v1(28.76,48.7)
  BOTTOM w0.127: R286.1 R56.2 29.53,47.93 v1(28.76,48.7) ; R308.1 81.38,60.77 81.38,62.53 74.8,69.11 v6(74.29,69.11) U14.8
I2C_SDA_SLG: length 5.5
  BOTTOM w0.127: U19.7 78.34,57.2 78.45,57.08 79.31,57.08 81.38,59.15 81.38,59.87 R308.2
IAS0_CLK_D_N: length 60.6
  TOP w0.076: U34.B4 38.49,37.76 38.12,37.76 38.12,37.76
  TOP w0.094: J7.8 29.94,71.62 v4(29.8,71.77)
  TOP w0.114: v4(34.49,37.46) 34.72,37.69 35.94,37.69 36.01,37.76 38.12,37.76
  L03_SIG w0.099: v4(34.49,37.46) 34.77,37.73 36.37,37.73
  L03_SIG w0.112: 36.37,37.73 37.59,36.51 38.32,36.51 38.61,36.23 38.61,35.76 36.5,33.66 31.91,33.66 28.57,37 28.57,41.32 26.57,43.32 26.57,53.59 28.28,55.29 28.28,68.4 30.53,70.65 30.53,71.04 30.16,71.41 29.95,71.41 29.77,71.59 29.77,71.74 v4(29.8,71.77)
IAS0_CLK_D_P: length 60.6
  TOP w0.094: J7.7 30.01,71.22 v4(29.8,71.01)
  TOP w0.114: U34.A4 38.24,38.01 35.91,38.01 35.84,37.94 34.72,37.94 34.71,37.94 34.69,37.94 v4(34.49,38.14)
  L03_SIG w0.099: 36.55,37.91 36.54,37.92 36.48,37.92 36.46,37.94 36.29,37.94 36.28,37.94 34.64,37.94 34.49,38.09 v4(34.49,38.14)
  L03_SIG w0.112: 36.55,37.91 37.7,36.77 38.43,36.77 38.86,36.34 38.86,35.66 36.61,33.4 31.81,33.4 28.32,36.89 28.32,41.22 26.32,43.22 26.32,53.69 28.02,55.4 28.02,68.5 30.28,70.75 30.28,70.93 30.05,71.16 29.95,71.16 v4(29.8,71.01)
